# Altium PCB STM32F207VC.PcbDoc (part 4 of 16)
Units mm, origin at the board's own origin, x right, y up, seen from the top; angles counter-clockwise.
Board outline 99.19 x 99.95 mm, 2 copper layers (Top Layer, Bottom Layer); 127 components, 125 nets, 570 pads, 172 vias.
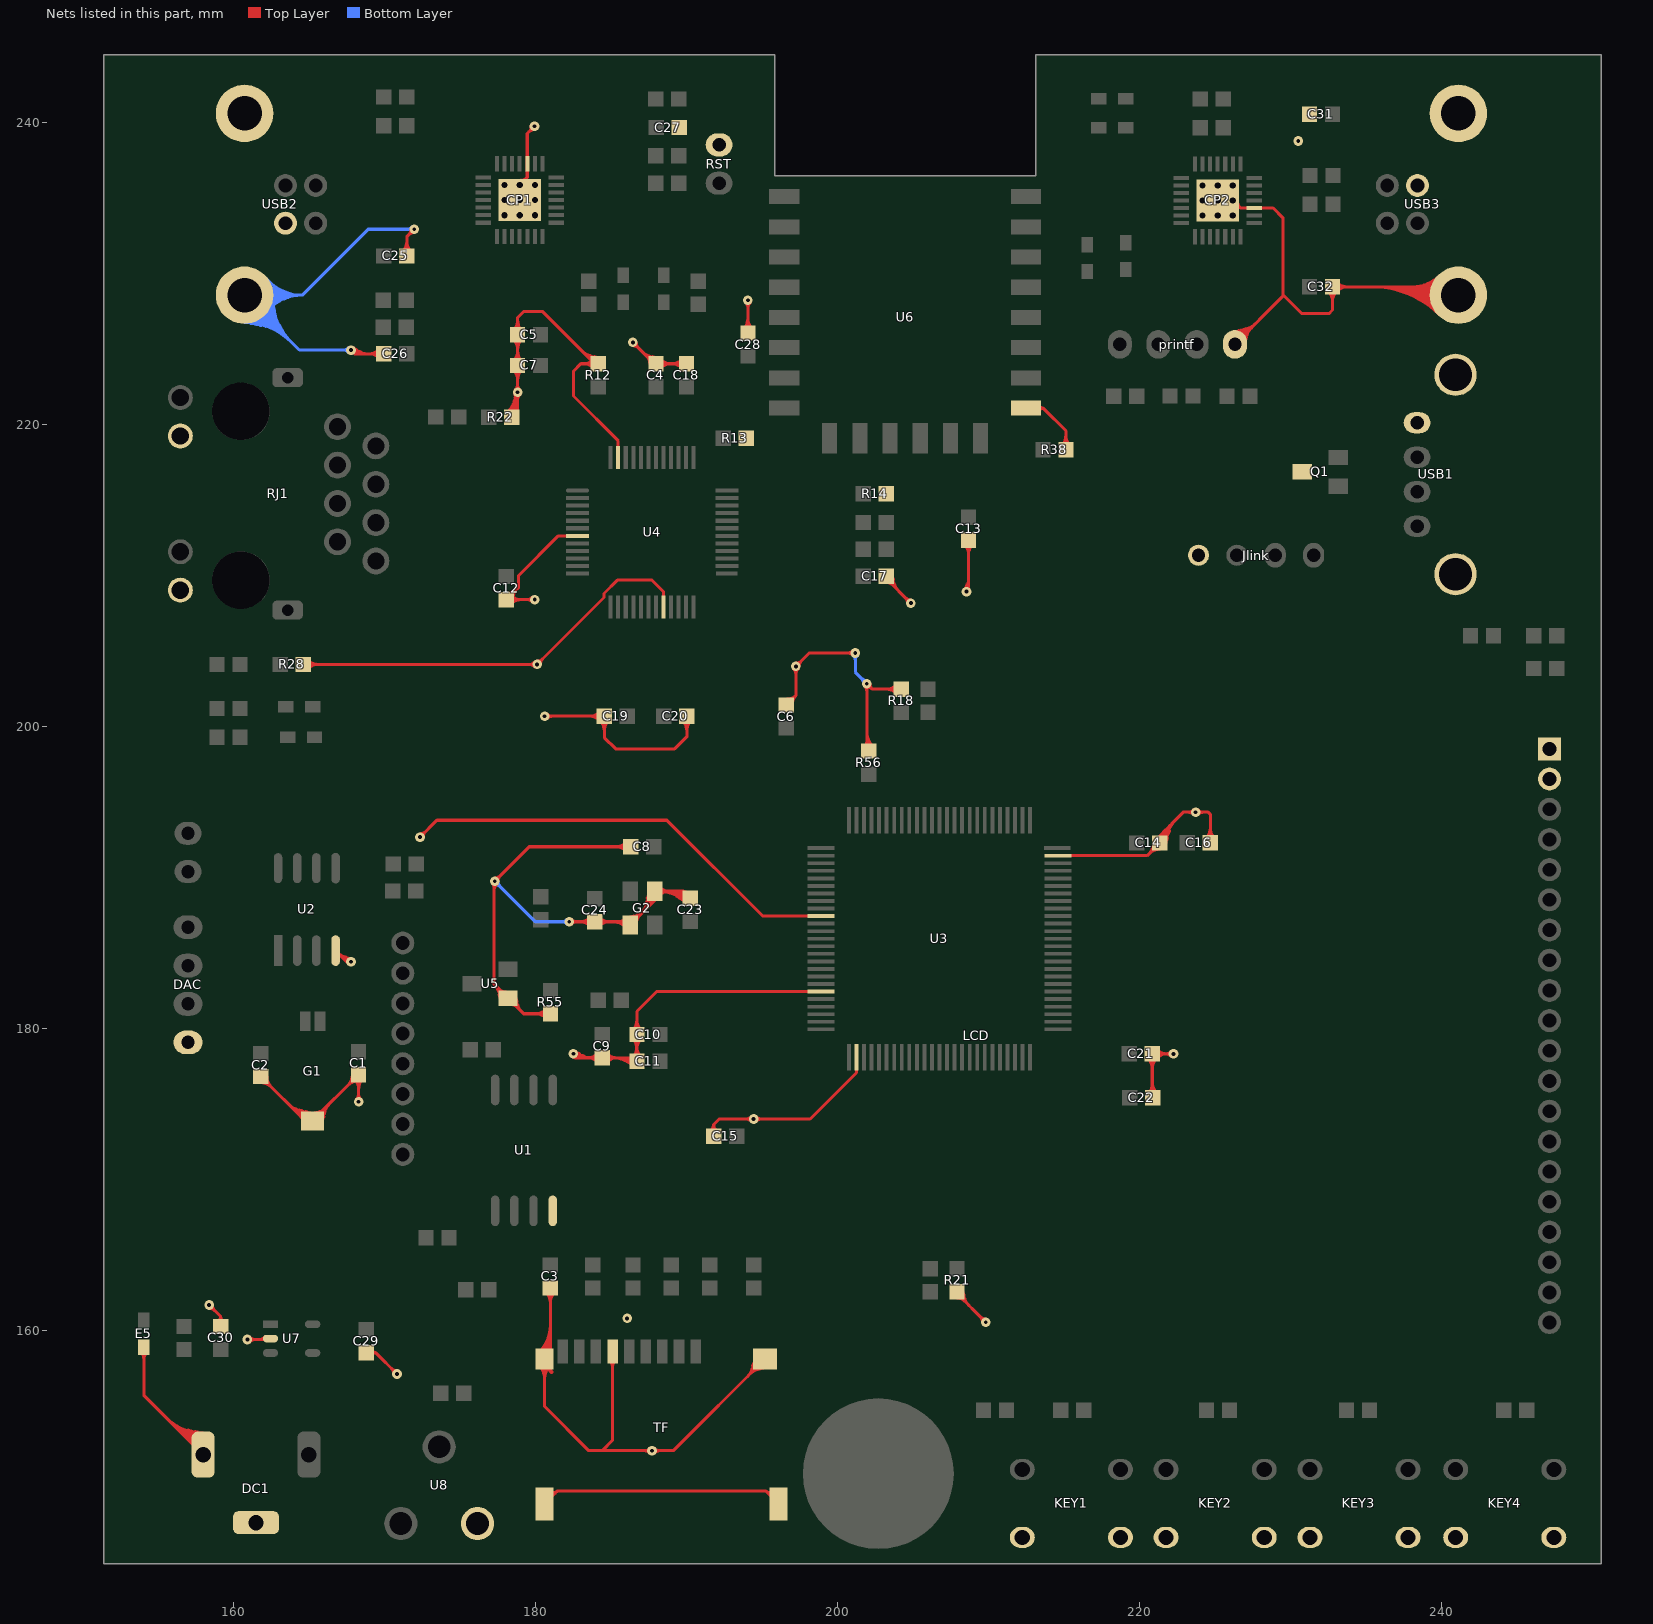
[diagram p4: the nets of this part, all layers, seen from the top]

## Via types
v1: diameter 0.635, hole 0.254, Top Layer to Bottom Layer, tented both sides, 152 vias
v2: diameter 0.635, hole 0.406, Top Layer to Bottom Layer, 18 vias
v3: diameter 1, hole 1, Top Layer to Bottom Layer, 2 vias

## Nets (pads, with @x,y where several pads share a name; then routed paths per layer and width w, separated by ;. In a path a pad name is that pad's centre, name@x,y a point inside that pad or via, vN(x,y) a via of type N, cw(c..) or ccw(c..) an arc to the next point about the centre after c; other vN are vias at no path point) (continued)
GND: (continued)
  Top Layer w0.203: E5.2@154.051,158.877 154.051,155.685 DC1.3@157.977,151.758 ; v1(158.369,161.671) 159.137,160.903 ; C30.2@159.137,160.249 159.137,160.903 ; v1(160.909,159.385) 162.374,159.385 U7.2@162.433,159.444 ; R28.1@164.609,204.095 v1(180.092,204.095) 184.525,208.528 184.525,208.797 185.405,209.677 187.706,209.677 188.465,208.918 U4.20@188.465,207.909 ; U2.4@166.747,185.144 167.487,184.404 v1(167.767,184.404) ; v1(167.767,224.917) 168.015,224.669 ; v1(168.275,175.133) 168.269,175.139 C1.2@168.269,176.928 ; C29.2@168.777,158.513 169.401,158.513 ; C26.2@169.943,224.669 168.015,224.669 ; v1(170.815,157.099) 169.401,158.513 ; C25.1@171.467,231.146 171.467,232.427 v1(171.958,232.918) ; v1(172.339,192.659) 173.457,193.777 188.681,193.777 195.029,187.428 U3.10@198.895,187.428 ; R22.2@178.799,220.847 C7.1@178.799,223.895 C5.1@178.799,225.927 178.799,227.059 179.197,227.457 180.467,227.457 R12.1@183.913,224.011 ; v2(178.943,235.848) 179.443,236.348 ; v1(179.923,239.74) 179.443,239.26 CP1.3@179.443,237.261 179.443,236.348 ; v1(179.942,208.39) C12.1@178.06,208.39 ; TF.11@180.591,148.493 181.45,149.352 ; v1(180.594,200.66) 180.6,200.666 C19.2@184.548,200.666 184.548,199.246 185.293,198.501 189.205,198.501 190.009,199.306 C20.1@190.009,200.666 ; C3.2@180.969,162.797 180.969,158.471 TF.10@180.591,158.093 180.591,154.943 183.515,152.019 184.404,152.019 ; R55.1@180.981,180.958 179.206,180.958 U5.1@178.168,181.996 177.228,182.936 177.228,189.674 v1(177.292,189.738) 179.572,192.018 C8.1@186.292,192.018 ; v1(182.228,187.054) C24.1@183.902,187.054 186.047,187.054 G2.2@186.258,186.842 ; v1(182.499,178.308) 182.77,178.037 ; U4.7@182.762,212.612 181.497,212.612 178.873,209.988 178.873,209.202 C12.1@178.06,208.39 ; TF.6@185.091,158.593 185.091,152.706 184.404,152.019 ; U4.47@185.465,217.815 185.465,218.903 182.499,221.869 182.499,223.52 182.99,224.011 R12.1@183.913,224.011 ; G2.2@186.258,187.054 186.469,187.054 187.884,188.468 G2.4@187.884,189.078 189.775,189.078 C23.1@190.24,188.612 ; v1(186.436,225.425) 187.85,224.011 C4.2@187.966,224.011 ; C18.1@189.986,224.011 C4.2@187.966,224.011 ; C15.2@191.787,172.853 191.787,173.626 ; v1(194.056,228.219) 194.056,226.049 C28.2@194.062,226.043 ; TF.13@195.191,158.093 189.117,152.019 184.404,152.019 ; TF.12@196.091,148.493 195.232,149.352 ; C6.2@196.602,201.405 197.231,202.034 ; U3.20@198.895,182.428 188.016,182.428 186.707,181.119 C10.2@186.707,179.584 C11.2@186.707,177.806 ; v1(201.168,204.851) 198.12,204.851 v1(197.231,203.962) 197.231,202.034 ; U3.27@201.245,178.078 201.245,177.054 198.18,173.99 192.151,173.99 191.787,173.626 ; R56.2@202.063,198.357 201.93,198.49 v1(201.93,202.819) 202.294,202.455 ; R18.1@204.21,202.455 202.294,202.455 ; v1(204.851,208.153) 203.217,209.787 C17.1@203.217,209.937 ; v1(208.534,208.915) 208.667,209.048 C13.1@208.667,212.327 ; v1(209.804,160.528) 207.905,162.427 R21.1@207.905,162.543 ; U6.15@212.469,221.071 213.612,221.071 ; U3.74@214.595,191.428 220.5,191.428 C14.2@221.344,192.272 ; R38.2@215.121,218.307 215.121,219.562 213.612,221.071 ; C22.1@220.836,175.428 C21.2@220.836,178.302 v1(222.244,178.302) ; C16.1@224.68,192.284 224.68,194.166 224.536,194.31 222.885,194.31 221.344,192.769 C14.2@221.344,192.272 ; v2(226.171,234.823) 226.671,234.323 ; printf.4@226.314,225.298 229.489,228.473 ; USB3.5@241.111,228.549 240.558,229.102 C32.2@232.774,229.102 232.774,227.567 232.537,227.33 230.759,227.33 229.489,228.6 229.489,233.68 228.846,234.323 CP2.3@227.584,234.323 226.671,234.323 ; E5.2@153.853,158.552 cw(c153.376,158.075) 154.051,158.075 ; E5.2@153.853,158.552 cw(c153.376,158.075) 154.051,158.075 ; E5.2@153.853,158.552 cw(c153.376,158.075) 154.051,158.075 ; E5.2@153.853,158.552 cw(c153.376,158.075) 154.051,158.075 ; 154.051,158.075 cw(c154.726,158.075) E5.2@154.249,158.552 ; 154.051,158.075 cw(c154.726,158.075) E5.2@154.249,158.552 ; 154.051,158.075 cw(c154.726,158.075) E5.2@154.249,158.552 ; 154.051,158.075 cw(c154.726,158.075) E5.2@154.249,158.552 ; 155.549,154.187 ccw(c157.977,156.615) DC1.3@157.977,153.181 ; 155.549,154.187 ccw(c157.977,156.615) DC1.3@157.977,153.181 ; 155.549,154.187 ccw(c157.977,156.615) DC1.3@157.977,153.181 ; 155.549,154.187 ccw(c157.977,156.615) DC1.3@157.977,153.181 ; 155.896,153.84 ccw(c157.977,155.921) DC1.3@157.977,152.978 ; 155.896,153.84 ccw(c157.977,155.921) DC1.3@157.977,152.978 ; 155.896,153.84 ccw(c157.977,155.921) DC1.3@157.977,152.978 ; 155.896,153.84 ccw(c157.977,155.921) DC1.3@157.977,152.978 ; 156.243,153.493 ccw(c157.977,155.227) DC1.3@157.977,152.774 ; 156.243,153.493 ccw(c157.977,155.227) DC1.3@157.977,152.774 ; 156.243,153.493 ccw(c157.977,155.227) DC1.3@157.977,152.774 ; 156.243,153.493 ccw(c157.977,155.227) DC1.3@157.977,152.774 ; 156.59,153.146 ccw(c157.977,154.534) DC1.3@157.977,152.571 ; 156.59,153.146 ccw(c157.977,154.534) DC1.3@157.977,152.571 ; 156.59,153.146 ccw(c157.977,154.534) DC1.3@157.977,152.571 ; 156.59,153.146 ccw(c157.977,154.534) DC1.3@157.977,152.571 ; 156.634,153.301 cw(c156.24,151.667) DC1.3@157.749,152.408 ; 156.634,153.301 cw(c156.24,151.667) DC1.3@157.749,152.408 ; 156.634,153.301 cw(c156.24,151.667) DC1.3@157.749,152.408 ; 156.634,153.301 cw(c156.24,151.667) DC1.3@157.749,152.408 ; 156.634,153.301 cw(c156.24,151.667) DC1.3@157.749,152.408 ; 156.634,153.301 cw(c156.24,151.667) DC1.3@157.749,152.408 ; 156.722,153.111 cw(c156.406,151.932) DC1.3@157.549,152.36 ; 156.722,153.111 cw(c156.406,151.932) DC1.3@157.549,152.36 ; 156.722,153.111 cw(c156.406,151.932) DC1.3@157.549,152.36 ; 156.722,153.111 cw(c156.406,151.932) DC1.3@157.549,152.36 ; 156.722,153.111 cw(c156.406,151.932) DC1.3@157.549,152.36 ; 156.722,153.111 cw(c156.406,151.932) DC1.3@157.549,152.36 ; 156.914,152.856 cw(c156.767,152.307) DC1.3@157.327,152.406 ; 156.914,152.856 ccw(c157.085,153.494) DC1.3@157.531,153.007 ; 156.914,152.856 cw(c156.767,152.307) DC1.3@157.327,152.406 ; 156.914,152.856 ccw(c157.085,153.494) DC1.3@157.531,153.007 ; 156.914,152.856 cw(c156.767,152.307) DC1.3@157.327,152.406 ; 156.914,152.856 ccw(c157.085,153.494) DC1.3@157.531,153.007 ; 156.914,152.856 ccw(c157.085,153.494) DC1.3@157.531,153.007 ; 156.914,152.856 cw(c156.767,152.307) DC1.3@157.327,152.406 ; 156.914,152.856 ccw(c157.085,153.494) DC1.3@157.531,153.007 ; 156.914,152.856 cw(c156.767,152.307) DC1.3@157.327,152.406 ; 156.914,152.856 ccw(c157.085,153.494) DC1.3@157.531,153.007 ; 156.914,152.856 cw(c156.767,152.307) DC1.3@157.327,152.406 ; 156.936,152.799 ccw(c157.977,153.84) DC1.3@157.977,152.368 ; 156.936,152.799 ccw(c157.977,153.84) DC1.3@157.977,152.368 ; 156.936,152.799 ccw(c157.977,153.84) DC1.3@157.977,152.368 ; 156.936,152.799 ccw(c157.977,153.84) DC1.3@157.977,152.368 ; 156.986,153.384 cw(c156.641,151.696) DC1.3@158.107,152.6 ; 156.986,153.384 cw(c156.641,151.696) DC1.3@158.107,152.6 ; 156.986,153.384 cw(c156.641,151.696) DC1.3@158.107,152.6 ; 156.986,153.384 cw(c156.641,151.696) DC1.3@158.107,152.6 ; 156.986,153.384 cw(c156.641,151.696) DC1.3@158.107,152.6 ; 156.986,153.384 cw(c156.641,151.696) DC1.3@158.107,152.6 ; 157.055,153.2 cw(c156.746,151.915) DC1.3@157.932,152.498 ; 157.055,153.2 cw(c156.746,151.915) DC1.3@157.932,152.498 ; 157.055,153.2 cw(c156.746,151.915) DC1.3@157.932,152.498 ; 157.055,153.2 cw(c156.746,151.915) DC1.3@157.932,152.498 ; 157.055,153.2 cw(c156.746,151.915) DC1.3@157.932,152.498 ; 157.055,153.2 cw(c156.746,151.915) DC1.3@157.932,152.498 ; 157.073,153.017 ccw(c157.269,153.748) DC1.3@157.647,153.092 ; 157.073,153.017 ccw(c157.269,153.748) DC1.3@157.647,153.092 ; 157.073,153.017 ccw(c157.269,153.748) DC1.3@157.647,153.092 ; 157.073,153.017 ccw(c157.269,153.748) DC1.3@157.647,153.092 ; 157.073,153.017 ccw(c157.269,153.748) DC1.3@157.647,153.092 ; 157.073,153.017 ccw(c157.269,153.748) DC1.3@157.647,153.092 ; 157.103,153.009 cw(c156.86,152.102) DC1.3@157.739,152.431 ; 157.103,153.009 cw(c156.86,152.102) DC1.3@157.739,152.431 ; 157.103,153.009 cw(c156.86,152.102) DC1.3@157.739,152.431 ; 157.103,153.009 cw(c156.86,152.102) DC1.3@157.739,152.431 ; 157.103,153.009 cw(c156.86,152.102) DC1.3@157.739,152.431 ; 157.103,153.009 cw(c156.86,152.102) DC1.3@157.739,152.431 ; 157.155,153.088 cw(c156.644,152.642) DC1.3@157.319,152.58 ; 157.154,153.088 ccw(c157.388,153.293) DC1.3@157.577,153.046 ; 157.154,153.088 ccw(c157.388,153.293) DC1.3@157.577,153.046 ; 157.155,153.088 cw(c156.644,152.642) DC1.3@157.319,152.58 ; 157.154,153.088 ccw(c157.388,153.293) DC1.3@157.577,153.046 ; 157.155,153.088 cw(c156.644,152.642) DC1.3@157.319,152.58 ; 157.154,153.088 ccw(c157.388,153.293) DC1.3@157.577,153.046 ; 157.155,153.088 cw(c156.644,152.642) DC1.3@157.319,152.58 ; DC1.3@157.222,152.774 cw(c157.113,152.368) DC1.3@157.527,152.441 ; DC1.3@157.222,152.774 cw(c157.113,152.368) DC1.3@157.527,152.441 ; DC1.3@157.222,152.774 cw(c157.113,152.368) DC1.3@157.527,152.441 ; DC1.3@157.222,152.774 cw(c157.113,152.368) DC1.3@157.527,152.441 ; DC1.3@157.222,152.774 cw(c157.113,152.368) DC1.3@157.527,152.441 ; DC1.3@157.222,152.774 cw(c157.113,152.368) DC1.3@157.527,152.441 ; DC1.3@157.298,152.924 ccw(c157.52,153.119) DC1.3@157.7,152.884 ; DC1.3@157.298,152.924 ccw(c157.52,153.119) DC1.3@157.7,152.884 ; DC1.3@157.298,152.924 ccw(c157.52,153.119) DC1.3@157.7,152.884 ; DC1.3@157.298,152.924 ccw(c157.52,153.119) DC1.3@157.7,152.884 ; 157.446,153.289 cw(c157.19,152.035) DC1.3@158.28,152.707 ; 157.446,153.289 cw(c157.19,152.035) DC1.3@158.28,152.707 ; 157.446,153.289 cw(c157.19,152.035) DC1.3@158.28,152.707 ; 157.446,153.289 cw(c157.19,152.035) DC1.3@158.28,152.707 ; 157.446,153.289 cw(c157.19,152.035) DC1.3@158.28,152.707 ; 157.446,153.289 cw(c157.19,152.035) DC1.3@158.28,152.707 ; DC1.3@157.476,153.098 cw(c157.251,152.163) DC1.3@158.114,152.588 ; DC1.3@157.476,153.098 cw(c157.251,152.163) DC1.3@158.114,152.588 ; DC1.3@157.476,153.098 cw(c157.251,152.163) DC1.3@158.114,152.588 ; DC1.3@157.476,153.098 cw(c157.251,152.163) DC1.3@158.114,152.588 ; DC1.3@157.476,153.098 cw(c157.251,152.163) DC1.3@158.114,152.588 ; DC1.3@157.476,153.098 cw(c157.251,152.163) DC1.3@158.114,152.588 ; v1@158.366,161.659 cw(c158.289,161.279) 158.663,161.379 ; v1@158.366,161.659 cw(c158.289,161.279) 158.663,161.379 ; v1@158.366,161.659 cw(c158.289,161.279) 158.663,161.379 ; v1@158.366,161.659 cw(c158.289,161.279) 158.663,161.379 ; v1@158.366,161.659 cw(c158.289,161.279) 158.663,161.379 ; v1@158.366,161.659 cw(c158.289,161.279) 158.663,161.379 ; v1@158.369,161.455 cw(c158.369,160.934) 158.738,161.302 ; v1@158.369,161.455 cw(c158.369,160.934) 158.738,161.302 ; v1@158.369,161.455 cw(c158.369,160.934) 158.738,161.302 ; v1@158.369,161.455 cw(c158.369,160.934) 158.738,161.302 ; v1@158.381,161.674 ccw(c158.761,161.751) 158.661,161.377 ; v1@158.381,161.674 ccw(c158.761,161.751) 158.661,161.377 ; v1@158.381,161.674 ccw(c158.761,161.751) 158.661,161.377 ; v1@158.381,161.674 ccw(c158.761,161.751) 158.661,161.377 ; v1@158.381,161.674 ccw(c158.761,161.751) 158.661,161.377 ; v1@158.381,161.674 ccw(c158.761,161.751) 158.661,161.377 ; v1@158.585,161.671 ccw(c159.106,161.671) 158.738,161.302 ; v1@158.585,161.671 ccw(c159.106,161.671) 158.738,161.302 ; v1@158.585,161.671 ccw(c159.106,161.671) 158.738,161.302 ; v1@158.585,161.671 ccw(c159.106,161.671) 158.738,161.302 ; C30.2@158.957,160.613 ccw(c158.813,160.903) 159.137,160.903 ; C30.2@158.957,160.613 ccw(c158.813,160.903) 159.137,160.903 ; C30.2@158.957,160.613 ccw(c158.813,160.903) 159.137,160.903 ; C30.2@158.957,160.613 ccw(c158.813,160.903) 159.137,160.903 ; 159.137,160.903 ccw(c159.461,160.903) C30.2@159.317,160.613 ; 159.137,160.903 ccw(c159.461,160.903) C30.2@159.317,160.613 ; 159.137,160.903 ccw(c159.461,160.903) C30.2@159.317,160.613 ; 159.137,160.903 ccw(c159.461,160.903) C30.2@159.317,160.613 ; v1@161.062,159.232 cw(c161.43,158.864) 161.43,159.385 ; v1@161.062,159.232 cw(c161.43,158.864) 161.43,159.385 ; v1@161.062,159.232 cw(c161.43,158.864) 161.43,159.385 ; v1@161.062,159.232 cw(c161.43,158.864) 161.43,159.385 ; v1@161.062,159.538 ccw(c161.43,159.906) 161.43,159.385 ; v1@161.062,159.538 ccw(c161.43,159.906) 161.43,159.385 ; v1@161.062,159.538 ccw(c161.43,159.906) 161.43,159.385 ; v1@161.062,159.538 ccw(c161.43,159.906) 161.43,159.385 ; 161.669,159.385 ccw(c161.669,159.954) U7.2@162.071,159.552 ; 161.669,159.385 ccw(c161.669,159.954) U7.2@162.071,159.552 ; 161.669,159.385 ccw(c161.669,159.954) U7.2@162.071,159.552 ; 161.669,159.385 ccw(c161.669,159.954) U7.2@162.071,159.552 ; C2.2@161.792,176.395 cw(c161.792,175.414) 162.486,176.108 ; C2.2@161.792,176.395 cw(c161.792,175.414) 162.486,176.108 ; C2.2@161.792,176.395 cw(c161.792,175.414) 162.486,176.108 ; C2.2@161.792,176.395 cw(c161.792,175.414) 162.486,176.108 ; C2.2@161.792,176.801 cw(c161.65,176.106) 162.336,176.289 ; C2.2@161.792,176.801 cw(c161.65,176.106) 162.336,176.289 ; C2.2@161.792,176.801 ccw(c162.488,176.944) 162.304,176.258 ; C2.2@161.792,176.801 ccw(c162.488,176.944) 162.304,176.258 ; C2.2@161.792,176.801 cw(c161.65,176.106) 162.336,176.289 ; C2.2@161.792,176.801 ccw(c162.488,176.944) 162.304,176.258 ; C2.2@161.792,176.801 ccw(c162.488,176.944) 162.304,176.258 ; C2.2@161.792,176.801 ccw(c162.488,176.944) 162.304,176.258 ; C2.2@161.792,176.801 ccw(c162.488,176.944) 162.304,176.258 ; C2.2@161.792,176.801 cw(c161.65,176.106) 162.336,176.289 ; C2.2@161.792,176.801 cw(c161.65,176.106) 162.336,176.289 ; C2.2@161.792,176.801 cw(c161.65,176.106) 162.336,176.289 ; C2.2@161.792,176.801 164.73,173.863 165.204,173.863 C1.2@168.269,176.928 ; C2.2@162.198,176.801 ccw(c163.18,176.801) 162.486,176.108 ; C2.2@162.198,176.801 ccw(c163.18,176.801) 162.486,176.108 ; C2.2@162.198,176.801 ccw(c163.18,176.801) 162.486,176.108 ; C2.2@162.198,176.801 ccw(c163.18,176.801) 162.486,176.108 ; 163.559,175.035 ccw(c165.1,176.576) G1.3@165.1,174.396 ; 163.559,175.035 ccw(c165.1,176.576) G1.3@165.1,174.396 ; 163.559,175.035 ccw(c165.1,176.576) G1.3@165.1,174.396 ; 163.559,175.035 ccw(c165.1,176.576) G1.3@165.1,174.396 ; 163.905,174.688 ccw(c165.1,175.883) G1.3@165.1,174.193 ; 163.905,174.688 ccw(c165.1,175.883) G1.3@165.1,174.193 ; 163.905,174.688 ccw(c165.1,175.883) G1.3@165.1,174.193 ; 163.905,174.688 ccw(c165.1,175.883) G1.3@165.1,174.193 ; 163.956,174.703 cw(c163.554,173.201) G1.3@164.983,173.813 ; 163.956,174.703 cw(c163.554,173.201) G1.3@164.983,173.813 ; 163.956,174.703 cw(c163.554,173.201) G1.3@164.983,173.813 ; 163.956,174.703 cw(c163.554,173.201) G1.3@164.983,173.813 ; 163.956,174.703 cw(c163.554,173.201) G1.3@164.983,173.813 ; 163.956,174.703 cw(c163.554,173.201) G1.3@164.983,173.813 ; 164.252,174.341 ccw(c165.1,175.189) G1.3@165.1,173.99 ; 164.252,174.341 ccw(c165.1,175.189) G1.3@165.1,173.99 ; 164.252,174.341 ccw(c165.1,175.189) G1.3@165.1,173.99 ; 164.252,174.341 ccw(c165.1,175.189) G1.3@165.1,173.99 ; 164.36,174.595 cw(c164.043,173.41) G1.3@165.17,173.893 ; 164.36,174.595 cw(c164.043,173.41) G1.3@165.17,173.893 ; 164.36,174.595 cw(c164.043,173.41) G1.3@165.17,173.893 ; 164.36,174.595 cw(c164.043,173.41) G1.3@165.17,173.893 ; 164.36,174.595 cw(c164.043,173.41) G1.3@165.17,173.893 ; 164.36,174.595 cw(c164.043,173.41) G1.3@165.17,173.893 ; 164.418,174.376 cw(c164.212,173.605) G1.3@164.978,173.828 ; 164.418,174.376 cw(c164.212,173.605) G1.3@164.978,173.828 ; 164.418,174.376 cw(c164.212,173.605) G1.3@164.978,173.828 ; 164.418,174.376 cw(c164.212,173.605) G1.3@164.978,173.828 ; 164.418,174.376 cw(c164.212,173.605) G1.3@164.978,173.828 ; 164.418,174.376 cw(c164.212,173.605) G1.3@164.978,173.828 ; 164.451,174.143 cw(c164.171,173.863) G1.3@164.567,173.863 ; 164.451,174.143 cw(c164.171,173.863) G1.3@164.567,173.863 ; 164.451,174.143 cw(c164.171,173.863) G1.3@164.567,173.863 ; 164.451,174.143 cw(c164.171,173.863) G1.3@164.567,173.863 ; G1.3@164.764,174.486 cw(c164.532,173.62) G1.3@165.357,173.973 ; G1.3@164.764,174.486 cw(c164.532,173.62) G1.3@165.357,173.973 ; G1.3@164.764,174.486 cw(c164.532,173.62) G1.3@165.357,173.973 ; G1.3@164.764,174.486 cw(c164.532,173.62) G1.3@165.357,173.973 ; G1.3@164.764,174.486 cw(c164.532,173.62) G1.3@165.357,173.973 ; G1.3@164.764,174.486 cw(c164.532,173.62) G1.3@165.357,173.973 ; R28.1@164.897,203.808 cw(c165.591,203.114) 165.591,204.095 ; R28.1@164.897,203.808 cw(c165.591,203.114) 165.591,204.095 ; R28.1@164.897,203.808 cw(c165.591,203.114) 165.591,204.095 ; R28.1@164.897,203.808 cw(c165.591,203.114) 165.591,204.095 ; R28.1@164.897,204.382 ccw(c165.591,205.076) 165.591,204.095 ; R28.1@164.897,204.382 ccw(c165.591,205.076) 165.591,204.095 ; R28.1@164.897,204.382 ccw(c165.591,205.076) 165.591,204.095 ; R28.1@164.897,204.382 ccw(c165.591,205.076) 165.591,204.095 ; G1.3@165.278,173.87 cw(c166.025,173.799) 165.831,174.524 ; G1.3@165.278,173.87 cw(c166.025,173.799) 165.831,174.524 ; G1.3@165.278,173.87 cw(c166.025,173.799) 165.831,174.524 ; G1.3@165.278,173.87 cw(c166.025,173.799) 165.831,174.524 ; G1.3@165.278,173.87 cw(c166.025,173.799) 165.831,174.524 ; G1.3@165.278,173.87 cw(c166.025,173.799) 165.831,174.524 ; G1.3@165.354,174.396 ccw(c165.354,175.321) 166.008,174.667 ; G1.3@165.354,174.396 ccw(c165.354,175.321) 166.008,174.667 ; G1.3@165.354,174.396 ccw(c165.354,175.321) 166.008,174.667 ; G1.3@165.354,174.396 ccw(c165.354,175.321) 166.008,174.667 ; G1.3@165.376,173.79 ccw(c165.085,174.752) 166.056,174.492 ; G1.3@165.376,173.79 ccw(c165.085,174.752) 166.056,174.492 ; G1.3@165.376,173.79 ccw(c165.085,174.752) 166.056,174.492 ; G1.3@165.376,173.79 ccw(c165.085,174.752) 166.056,174.492 ; G1.3@165.376,173.79 ccw(c165.085,174.752) 166.056,174.492 ; G1.3@165.376,173.79 ccw(c165.085,174.752) 166.056,174.492 ; G1.3@165.435,173.596 ccw(c165.21,174.341) G1.3@165.961,174.139 ; G1.3@165.435,173.596 ccw(c165.21,174.341) G1.3@165.961,174.139 ; G1.3@165.435,173.596 ccw(c165.21,174.341) G1.3@165.961,174.139 ; G1.3@165.435,173.596 ccw(c165.21,174.341) G1.3@165.961,174.139 ; G1.3@165.435,173.596 ccw(c165.21,174.341) G1.3@165.961,174.139 ; G1.3@165.435,173.596 ccw(c165.21,174.341) G1.3@165.961,174.139 ; G1.3@165.684,173.863 cw(c166.844,173.863) 166.024,174.683 ; G1.3@165.684,173.863 cw(c166.844,173.863) 166.024,174.683 ; G1.3@165.684,173.863 cw(c166.844,173.863) 166.024,174.683 ; G1.3@165.684,173.863 cw(c166.844,173.863) 166.024,174.683 ; G1.3@165.887,173.863 cw(c167.538,173.863) 166.371,175.03 ; G1.3@165.887,173.863 cw(c167.538,173.863) 166.371,175.03 ; G1.3@165.887,173.863 cw(c167.538,173.863) 166.371,175.03 ; G1.3@165.887,173.863 cw(c167.538,173.863) 166.371,175.03 ; U2.4@166.92,184.971 ccw(c167.767,185.818) v1@167.767,184.62 ; U2.4@166.92,184.971 ccw(c167.767,185.818) v1@167.767,184.62 ; U2.4@166.92,184.971 ccw(c167.767,185.818) v1@167.767,184.62 ; U2.4@166.92,184.971 ccw(c167.767,185.818) v1@167.767,184.62 ; 167.267,184.624 ccw(c167.767,185.124) v1@167.767,184.417 ; 167.267,184.624 ccw(c167.767,185.124) v1@167.767,184.417 ; 167.267,184.624 ccw(c167.767,185.124) v1@167.767,184.417 ; 167.267,184.624 ccw(c167.767,185.124) v1@167.767,184.417 ; 167.305,184.744 cw(c167.113,184.026) v1@167.756,184.398 ; 167.305,184.744 cw(c167.113,184.026) v1@167.756,184.398 ; 167.305,184.744 cw(c167.113,184.026) v1@167.756,184.398 ; 167.305,184.744 cw(c167.113,184.026) v1@167.756,184.398 ; 167.305,184.744 cw(c167.113,184.026) v1@167.756,184.398 ; 167.305,184.744 cw(c167.113,184.026) v1@167.756,184.398 ; 167.393,184.517 cw(c167.332,184.292) v1@167.558,184.35 ; 167.393,184.517 ccw(c167.46,184.769) v1@167.628,184.569 ; 167.393,184.517 cw(c167.332,184.292) v1@167.558,184.35 ; 167.393,184.517 ccw(c167.46,184.769) v1@167.628,184.569 ; 167.393,184.517 cw(c167.332,184.292) v1@167.558,184.35 ; 167.393,184.517 ccw(c167.46,184.769) v1@167.628,184.569 ; 167.393,184.517 ccw(c167.46,184.769) v1@167.628,184.569 ; 167.393,184.517 cw(c167.332,184.292) v1@167.558,184.35 ; 167.393,184.517 ccw(c167.46,184.769) v1@167.628,184.569 ; 167.393,184.517 cw(c167.332,184.292) v1@167.558,184.35 ; 167.393,184.517 ccw(c167.46,184.769) v1@167.628,184.569 ; 167.393,184.517 cw(c167.332,184.292) v1@167.558,184.35 ; 167.484,184.669 cw(c167.304,184.489) v1@167.555,184.443 ; 167.484,184.669 ccw(c167.645,184.83) v1@167.708,184.612 ; 167.484,184.669 ccw(c167.645,184.83) 